# Altium PCB Power Distribution Board.PcbDoc (part 1 of 3)
Units mil, origin at the board's own origin, x right, y up, seen from the top; angles counter-clockwise.
Board outline 7086.61 x 4330.71 mil, 4 copper layers (Top Layer, L2 - GND, L3 - Power, Bottom Layer), stack 61.811 mil thick; 241 components, 181 nets, 796 pads, 516 vias.
Unrouted connection lines stored in the file: 42.
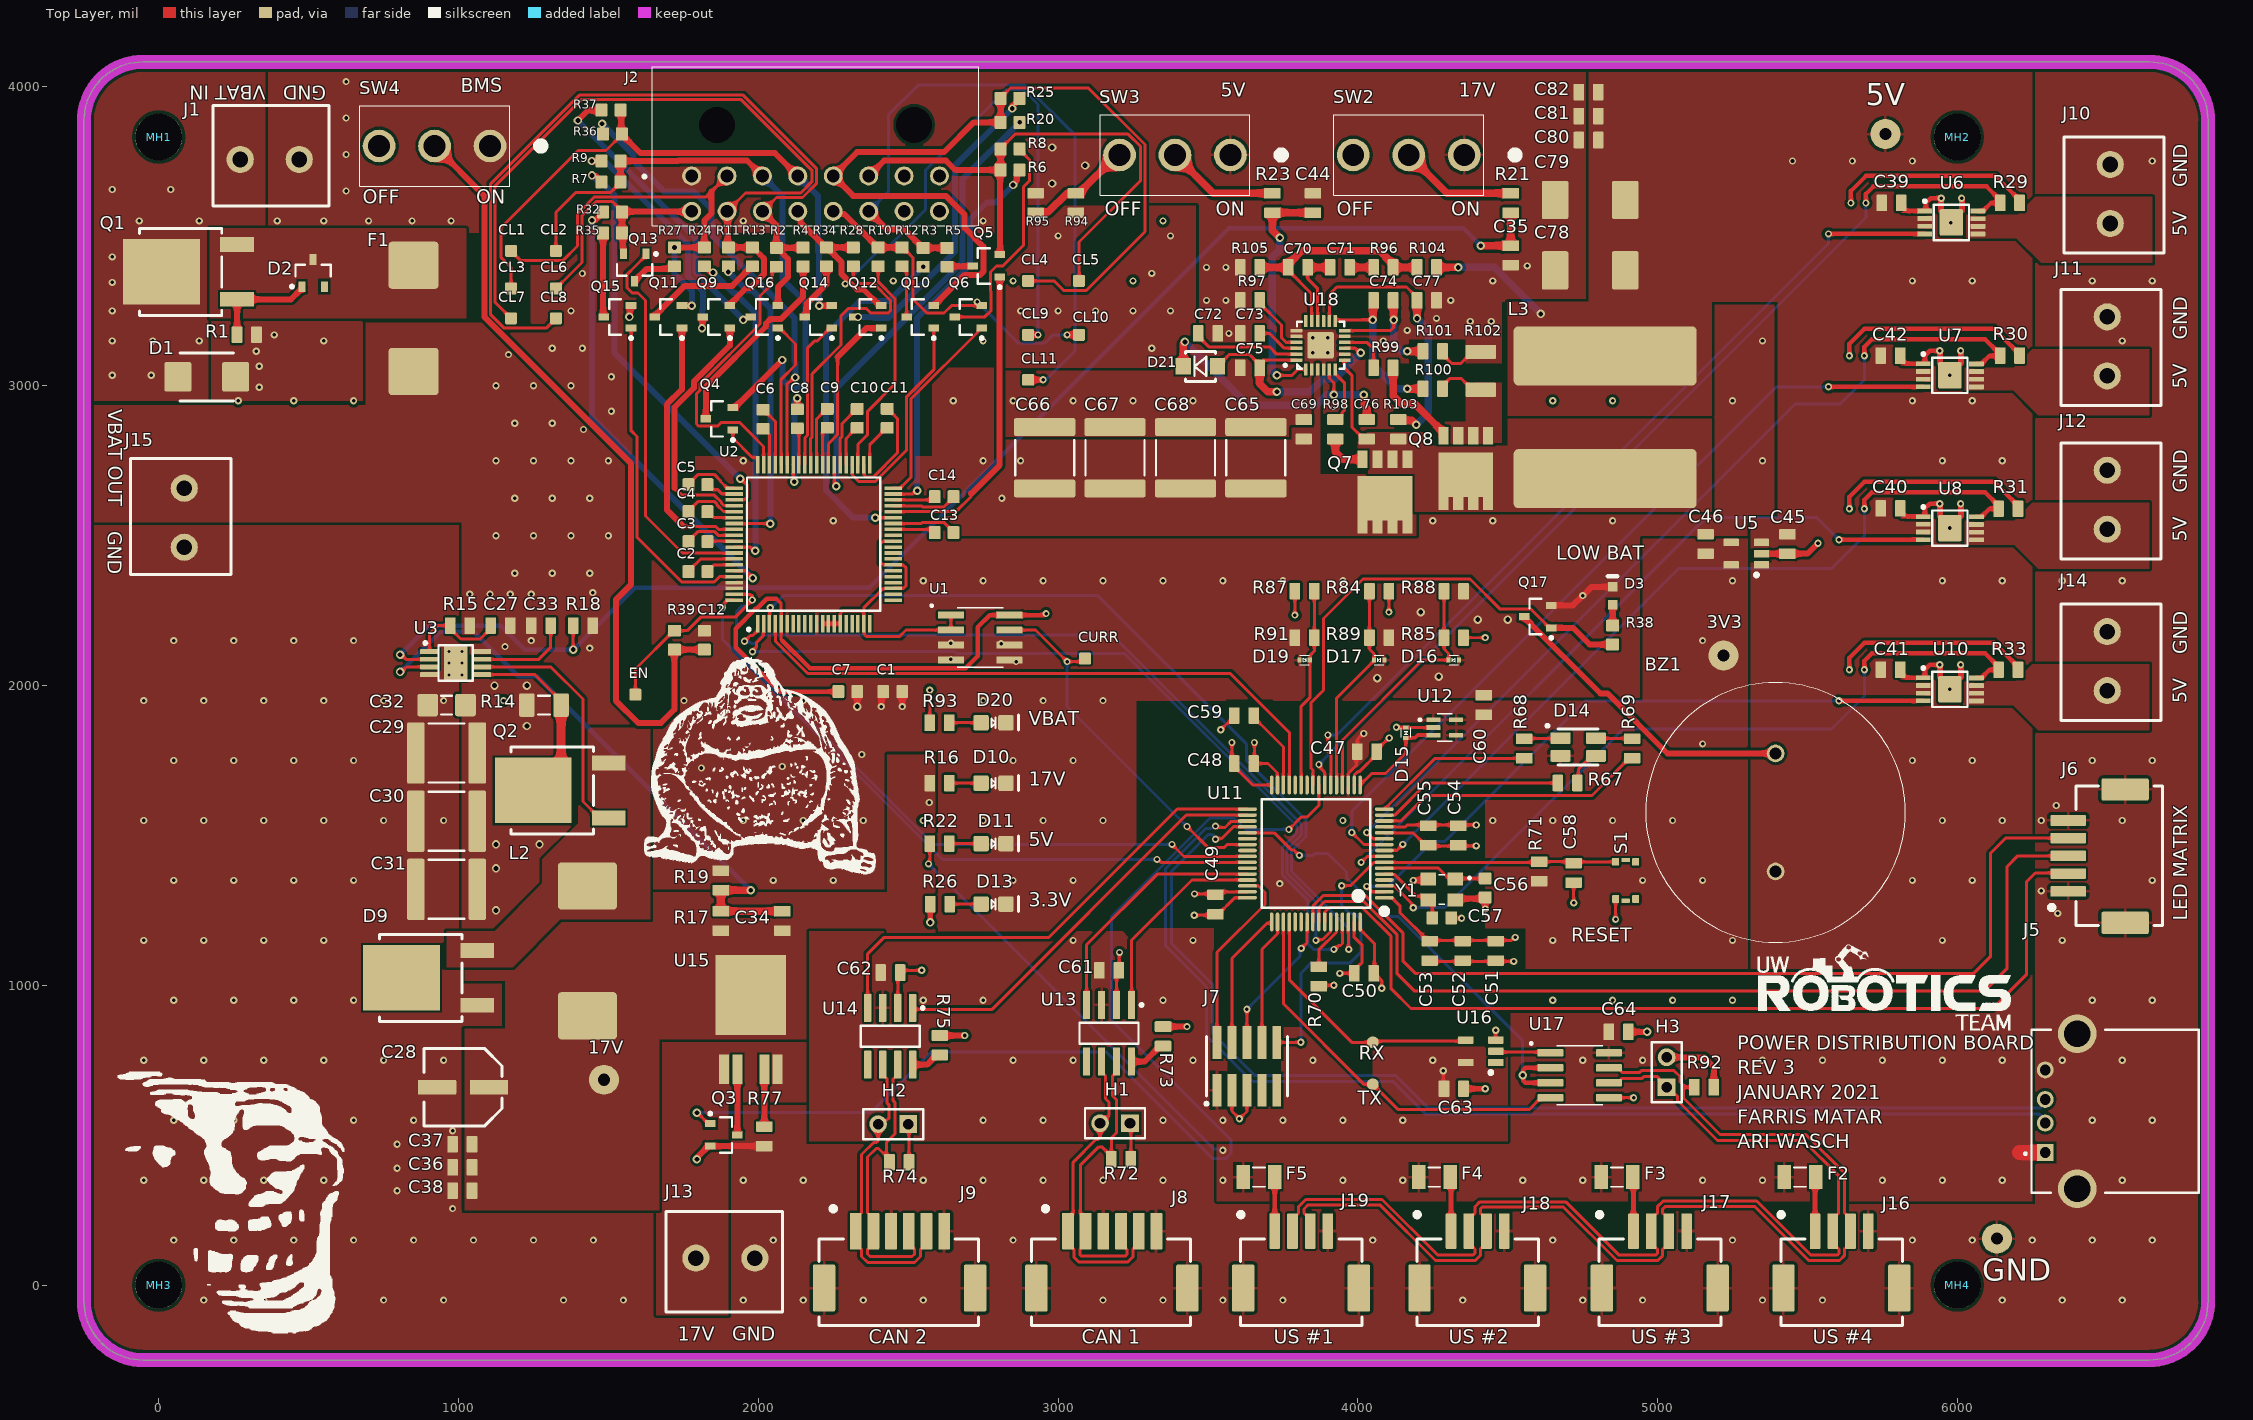
[diagram p0: Top Layer view]
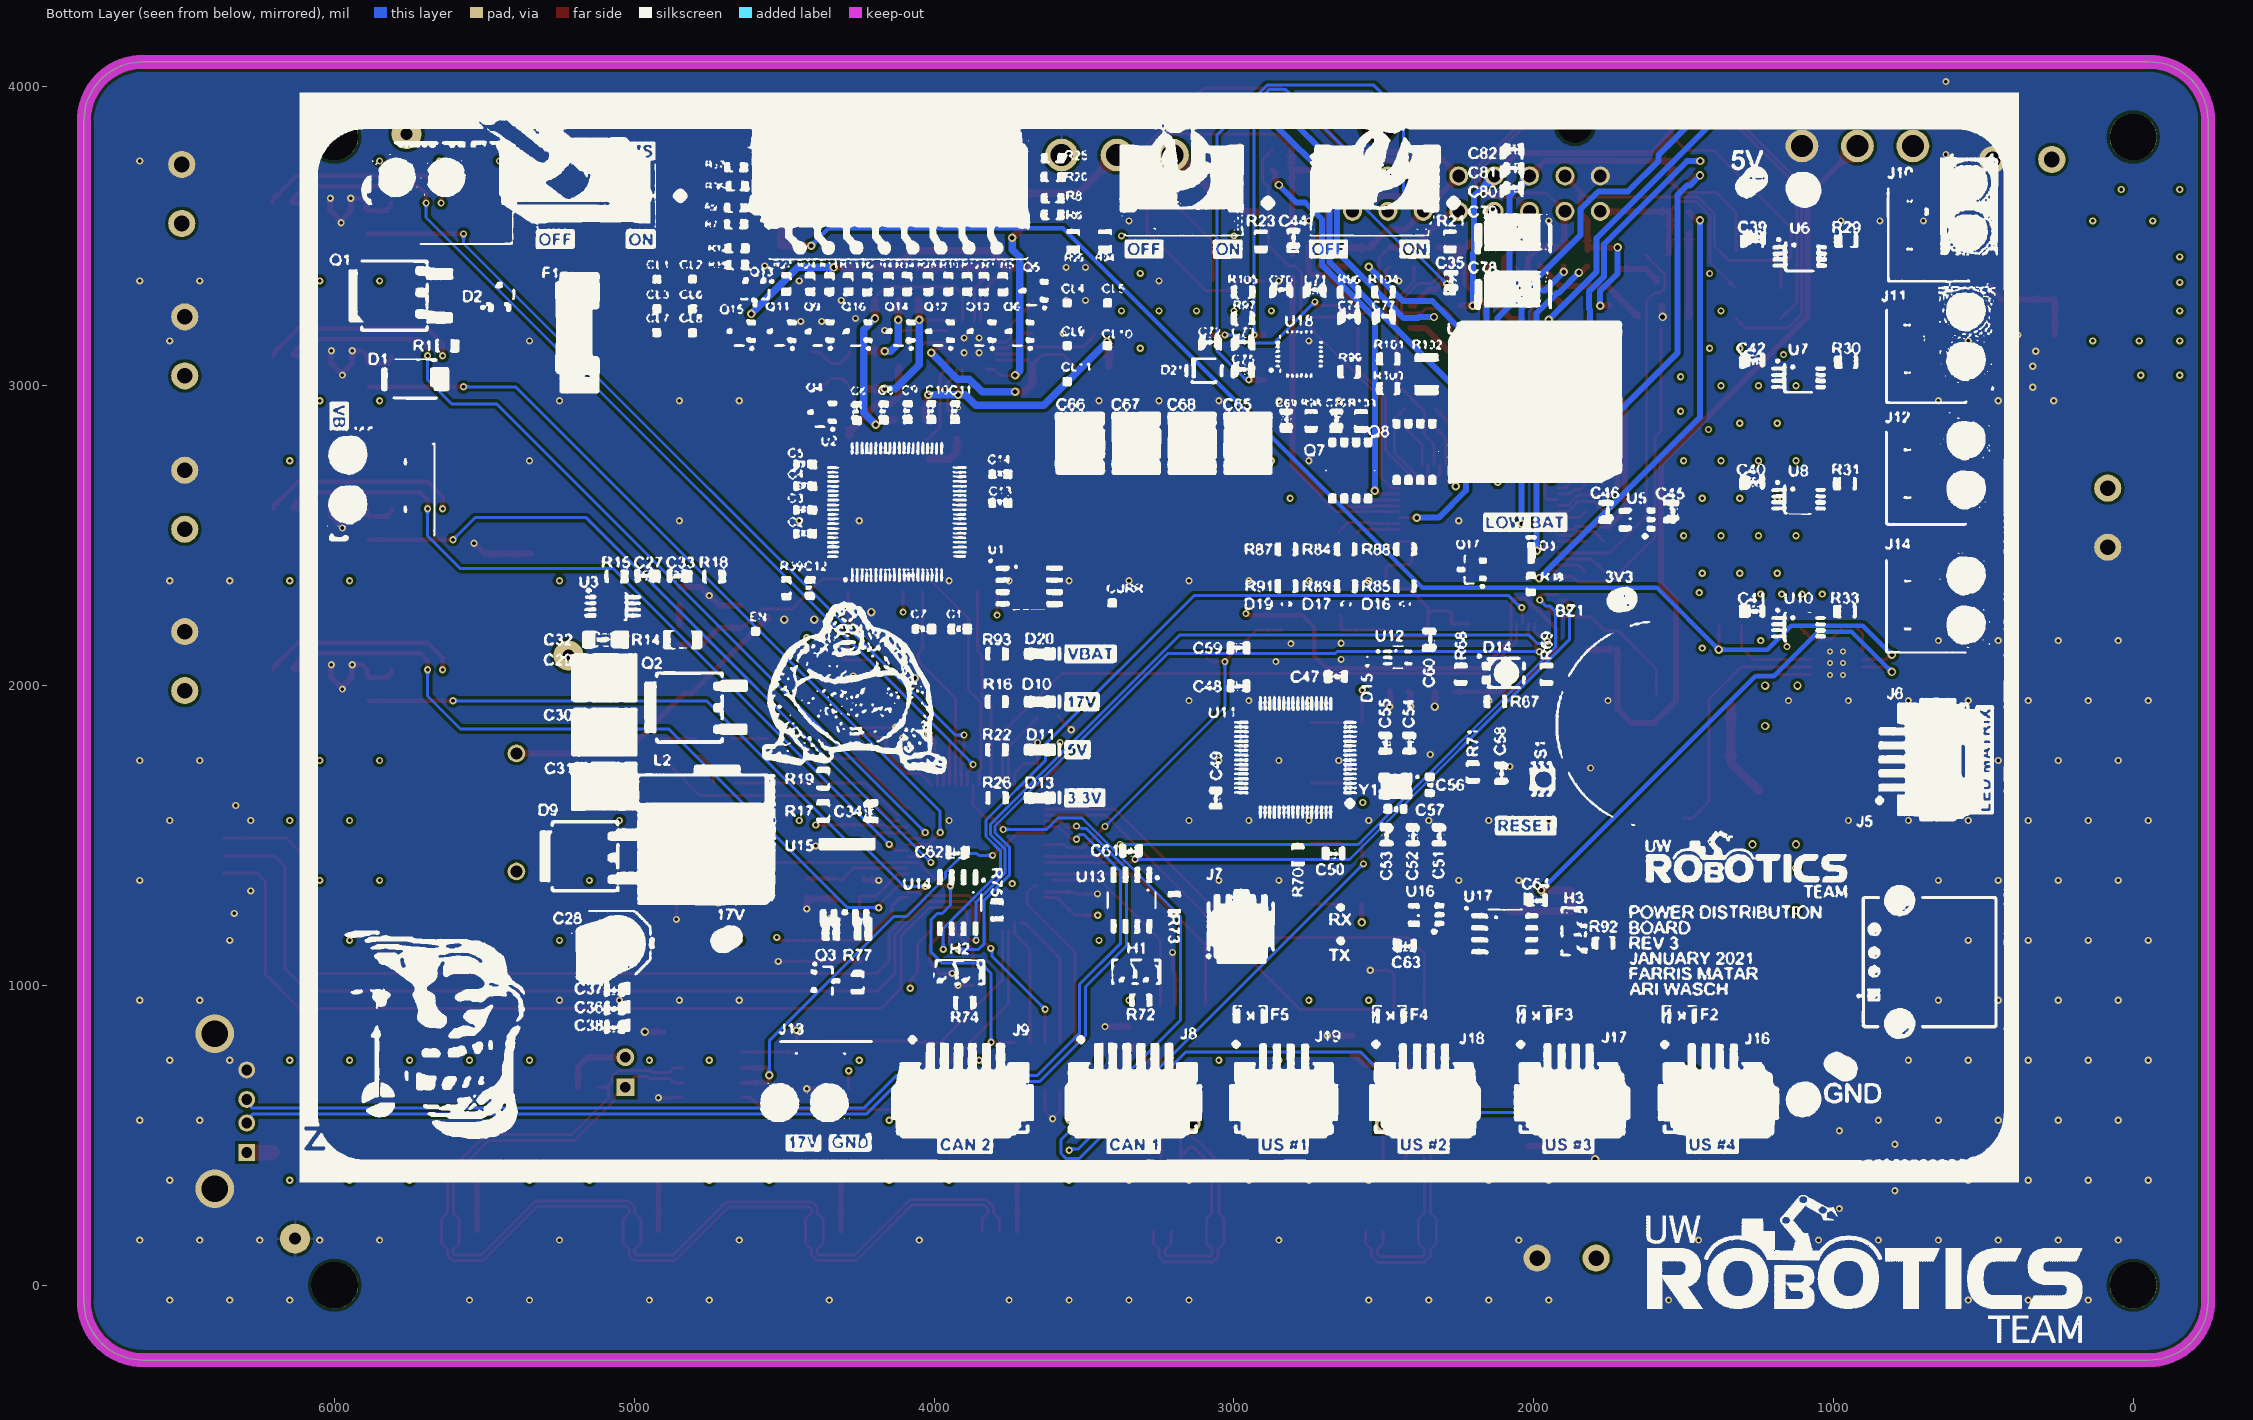
[diagram p1: Bottom Layer view, seen from below]
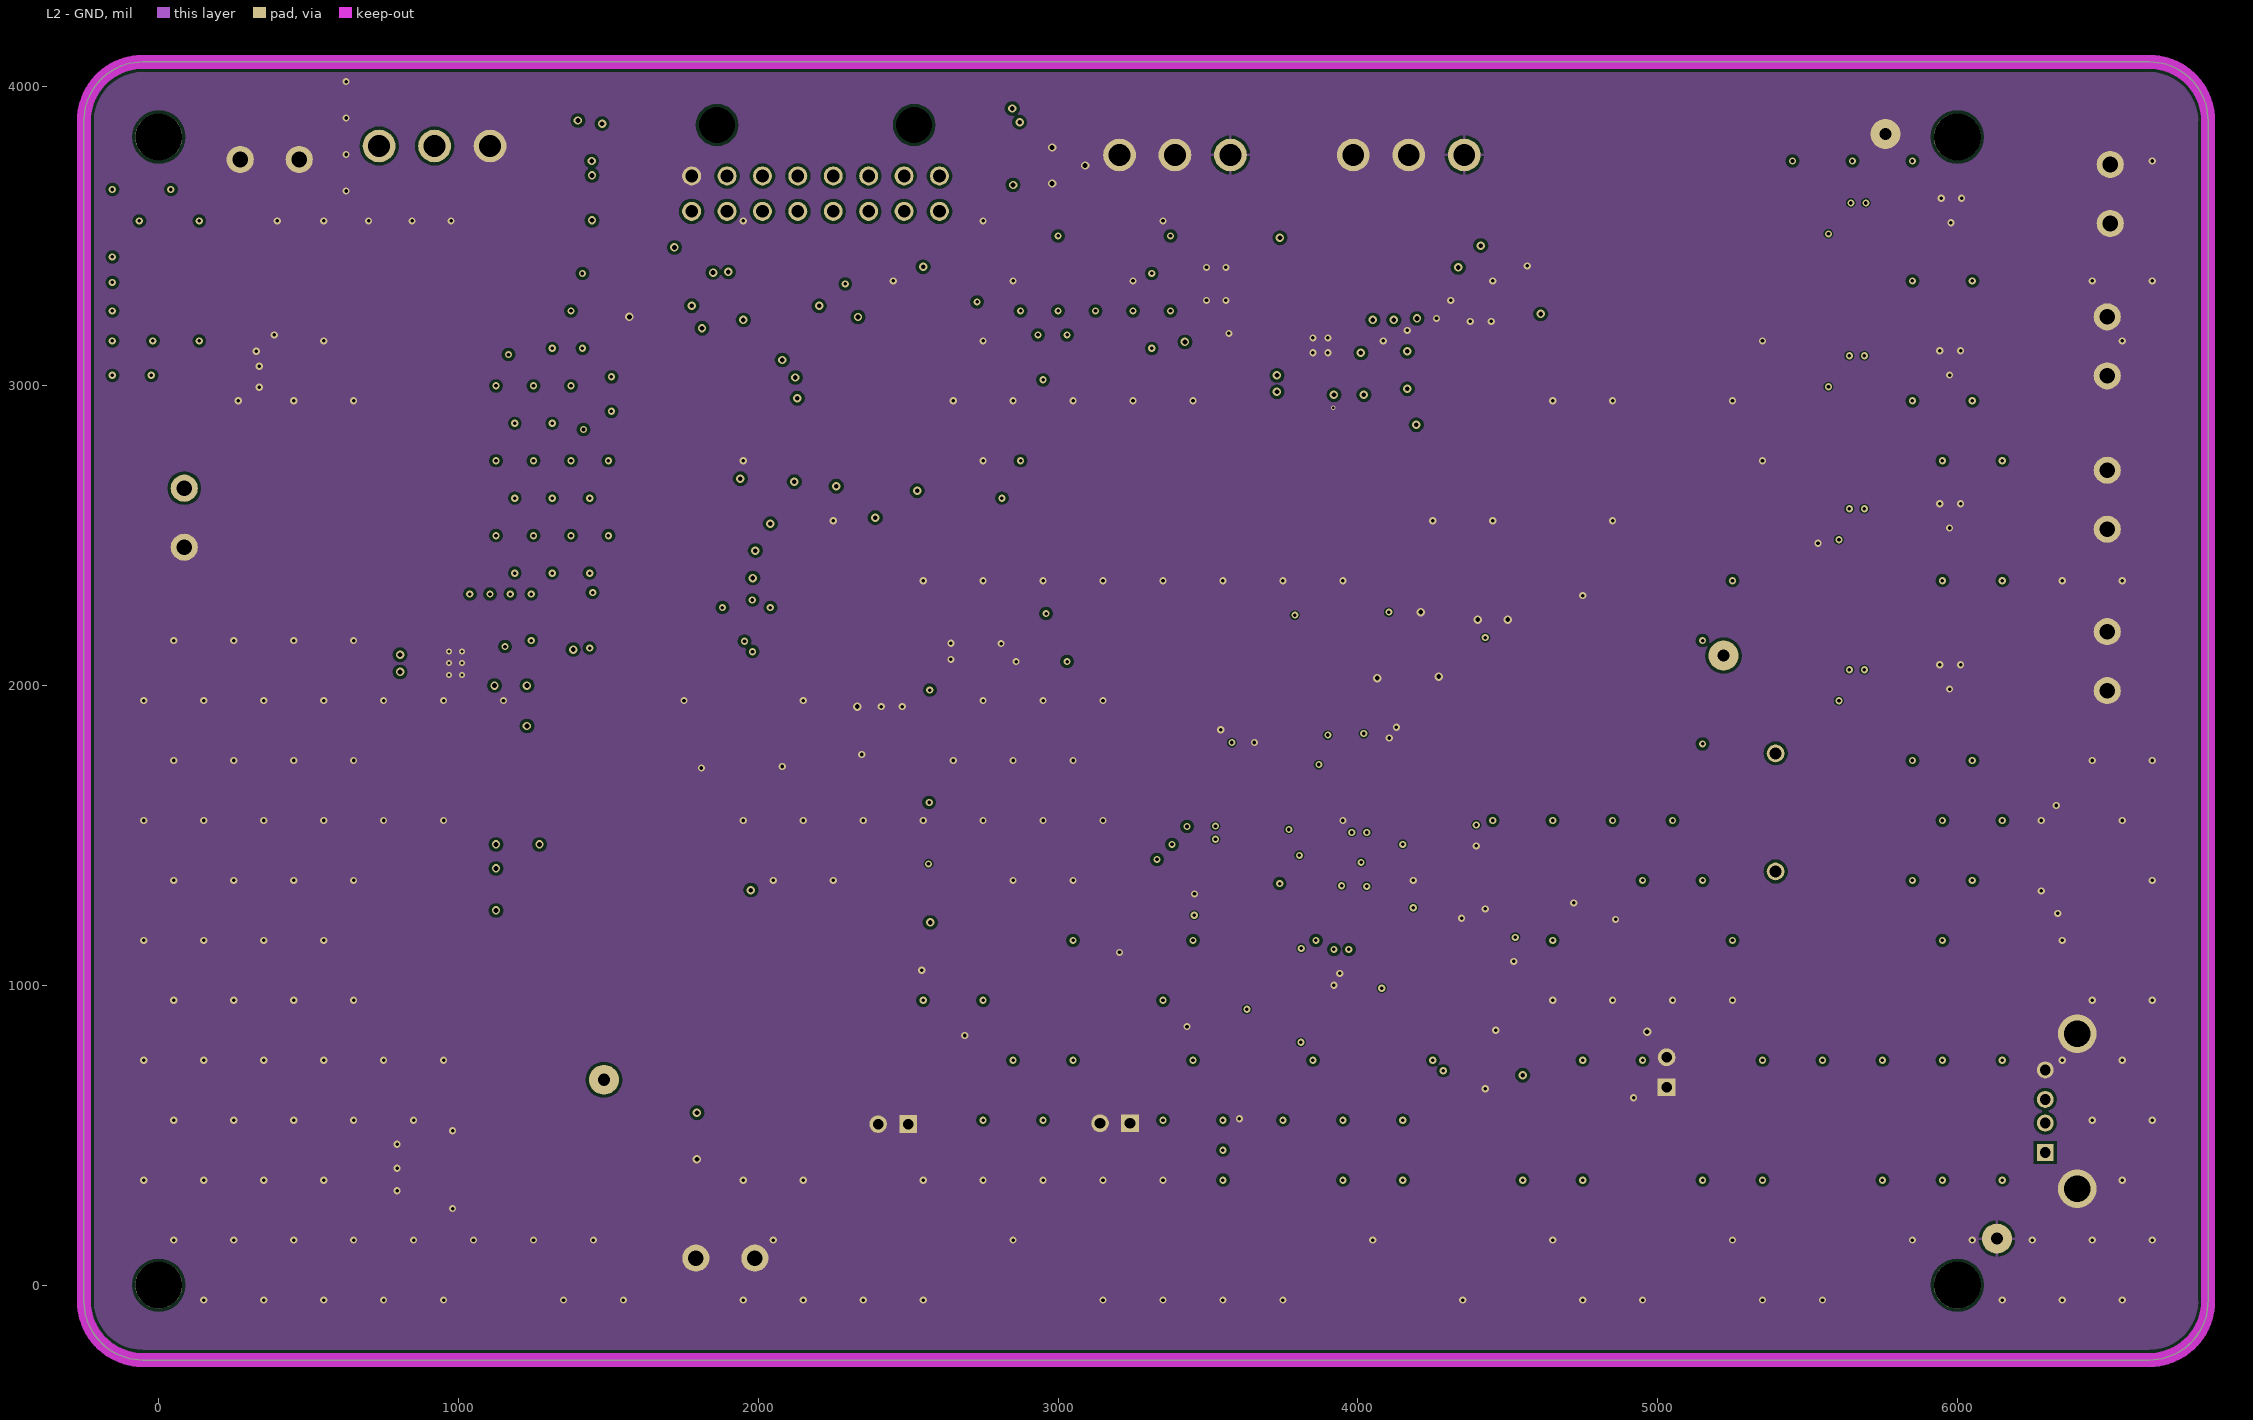
[diagram p2: L2 - GND]
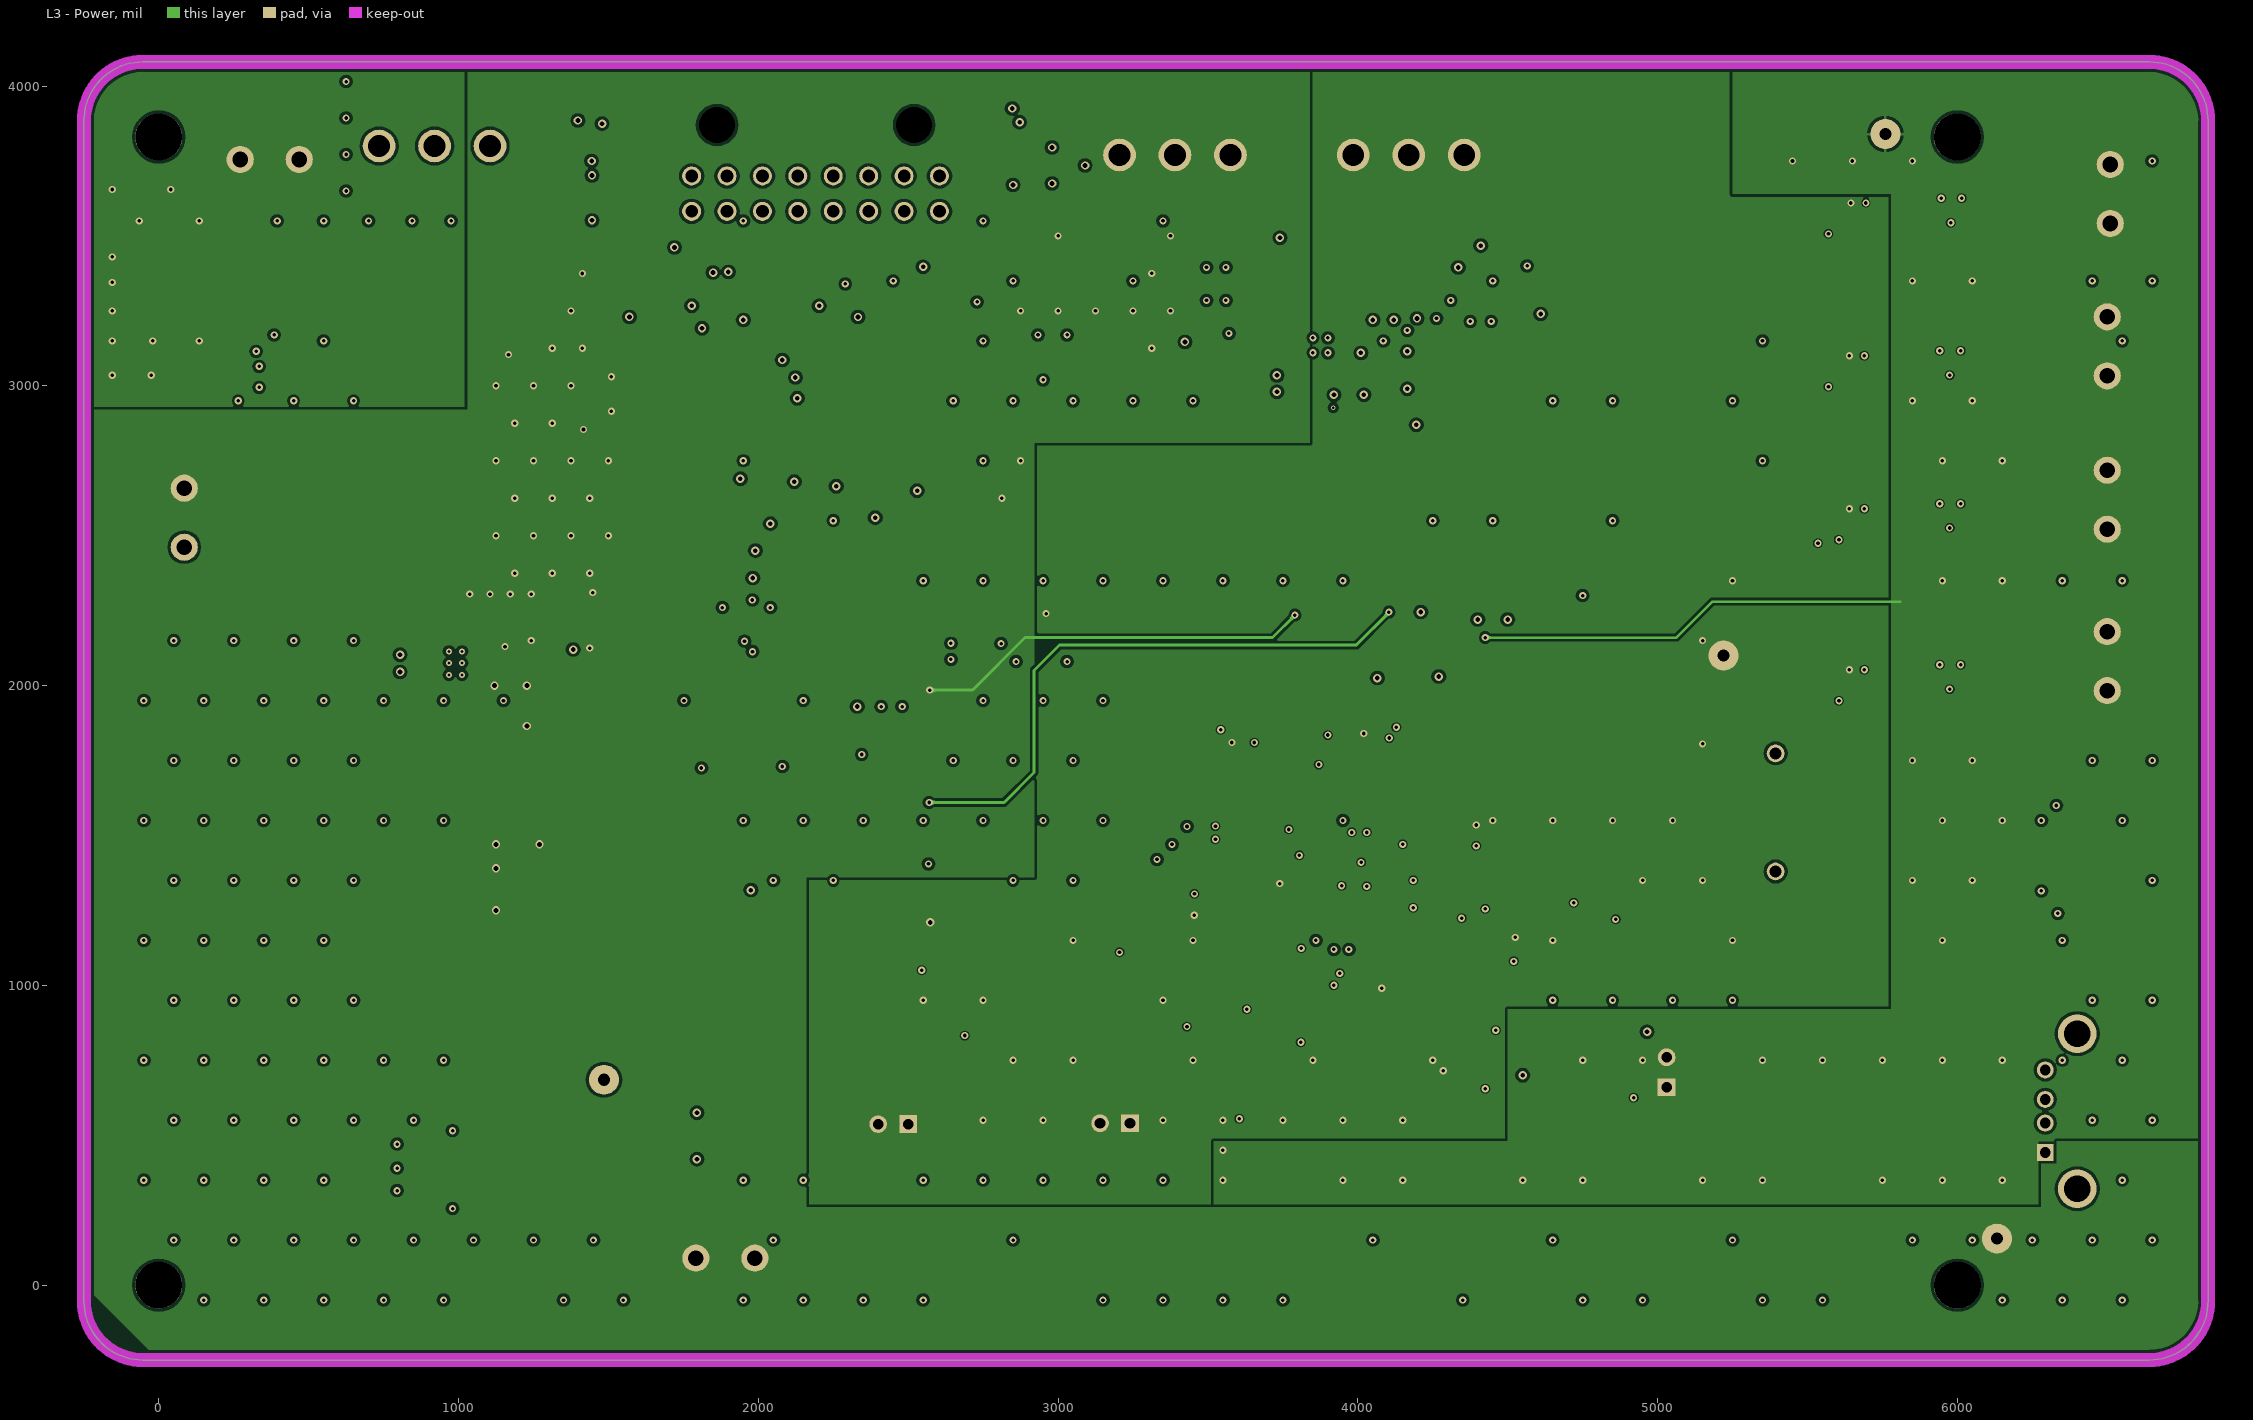
[diagram p3: L3 - Power]
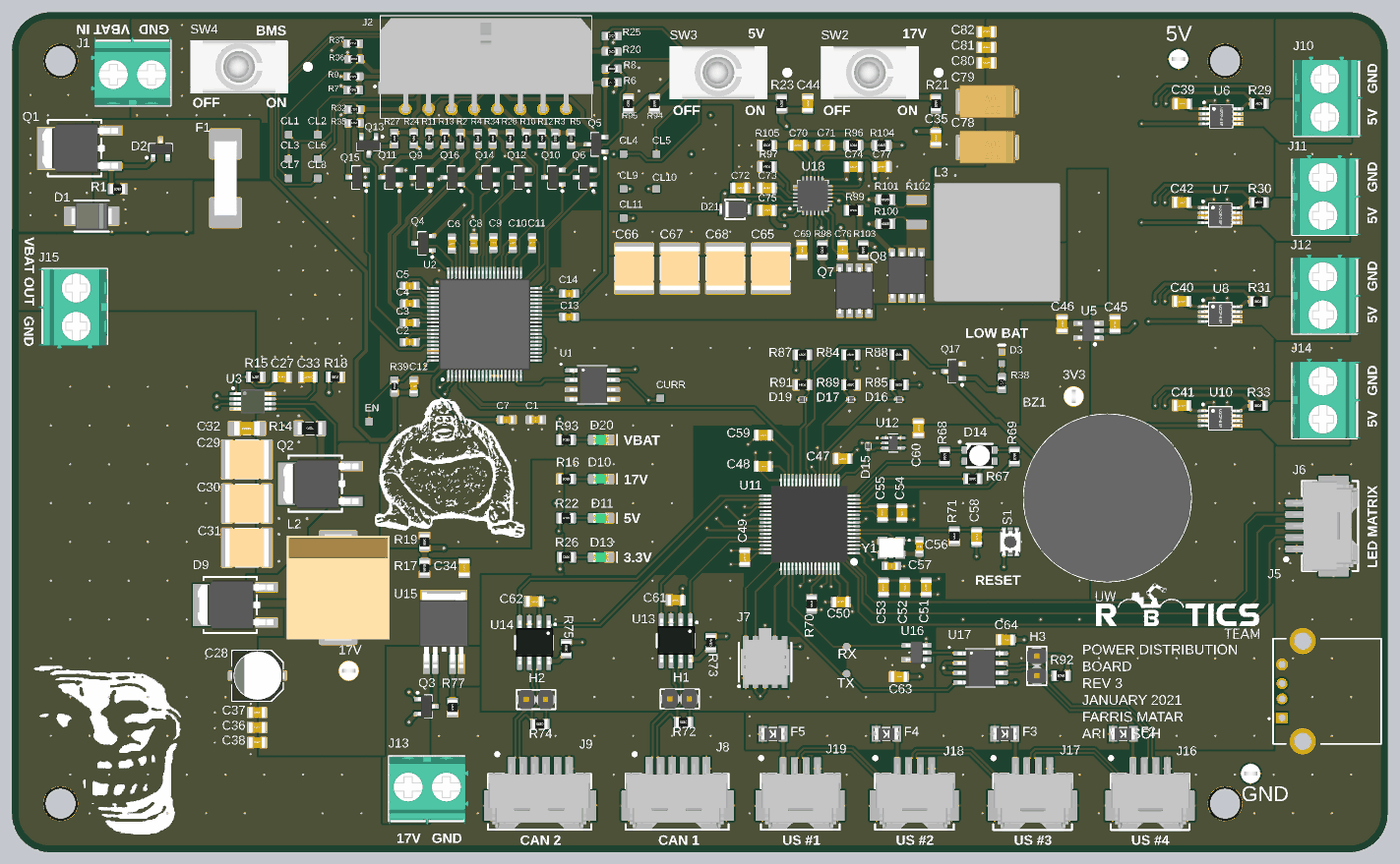
[diagram p6: 3D render of the assembled board from above, using the file's embedded part models]

## Layer stack, top to bottom
Top Solder: solder mask 0.5, Solder Resist, Dk 3.8
Top Layer: signal copper 1.378
Dielectric 1: prepreg 7.874, 7628, Dk 4.6
L2 - GND: signal copper 0.689
Core: core 41.929, FR-4, Dk 4.5
L3 - Power: signal copper 0.689
Dielectric 2: prepreg 7.874, 7628, Dk 4.6
Bottom Layer: signal copper 1.378
Bottom Solder: solder mask 0.5, Solder Resist, Dk 3.8

## Board outline
-250,-53.07 -250,3883.86 -249.92,3883.86 cw(c-53.07,3883.86) -53.07,4080.71 6639.76,4080.71 cw(c6639.76,3883.86) 6836.61,3883.86 6836.61,-53.07 cw(c6639.76,-53.07) 6639.76,-249.92 6639.76,-250 -53.07,-250 -53.07,-249.92 cw(c-53.07,-53.07)

## Design rules (kind name [scope] priority, off if disabled: settings)
BoardOutlineClearance [All] p1: gap=20 ignorepadtopadclearanceinfootprint=FALSE except(5: Text-OutlineEdge Text-CavityEdge Text-CutoutEdge Text-SplitBarrior Text-SplitContinuation; 25: Track-OutlineEdge Track-CavityEdge Track-CutoutEdge Track-SplitBarrior Track-SplitContinuation)
Clearance "High Voltage Internal" [InNetClass('High_Voltage_Internal')  and OnLayer('Power')] p1: gap=20 ignorepadtopadclearanceinfootprint=TRUE
Clearance "High Voltage External" [InNetClass('High_Voltage')  and OnLayer('Signal')] p2: gap=12 ignorepadtopadclearanceinfootprint=TRUE
Clearance Clearance_1 [All] p3: gap=10 ignorepadtopadclearanceinfootprint=TRUE except(0: Arc-Text Track-Text Text-Hole; 5: Track-Track SMDPad-SMDPad Text-Text; 7: SMDPad-Region; 8: Arc-Arc Arc-Track Arc-SMDPad Arc-Hole Track-SMDPad Track-Region Track-Hole SMDPad-THPad SMDPad-Fill SMDPad-Poly SMDPad-Text SMDPad-Hole THPad-Hole Via-Hole Fill-Hole Poly-Hole Region-Region Region-Hole; 20: THPad-THPad Via-Via)
ComponentClearance [All] p1: gap=10 collisioncheckmode=3 verticalgap=200 showdistances=FALSE
DiffPairsRouting [All] p1: maxlimit=10 minlimit=8 mostfreqgap=10 toplayer_minwidth=10 toplayer_maxwidth=10 toplayer_prefwidth=10 midlayer1_minwidth=10 midlayer1_maxwidth=10 midlayer1_prefwidth=10 midlayer2_minwidth=10 midlayer2_maxwidth=10 midlayer2_prefwidth=10 bottomlayer_minwidth=10 bottomlayer_maxwidth=10 bottomlayer_prefwidth=10 maxuncoupledlength=500
Height [All] p1: minheight=0 maxheight=50000 prefheight=500
HoleSize [All] p1: absolutevalues=TRUE maxlimit=200 minlimit=10 maxpercent=80.000 minpercent=20.000
HoleToHoleClearance [All] p1: gap=20 allowstackedmicrovias=TRUE
MinimumAnnularRing [All] p1: minimumring=5
MinimumSolderMaskSliver [All] p1: minsoldermaskwidth=3
PolygonConnect PolygonConnect_Via [IsVia] p1: connectstyle=Direct reliefconductorwidth=10 reliefentries=4 polygonreliefangle="90 Angle" airgapwidth=10
PolygonConnect [All] p2: connectstyle=Direct reliefconductorwidth=10 reliefentries=4 polygonreliefangle="90 Angle" airgapwidth=10
RoutingVias [All] p1: holewidth=12 width=24 viastyle="Through Hole" minholewidth=6 minwidth=12 maxholewidth=24 maxwidth=50
SilkToSilkClearance [All] p1: silktosilkclearance=2
SilkToSolderMaskClearance [IsPad] p1: minsilkscreentomaskgap=0.5 clearancetoexposedcopper=TRUE
SolderMaskExpansion [All] p1: expansion=2 istentingtop=FALSE
Width Width_1 [All] p1: maxlimit=100 minlimit=5 preferedwidth=10 midlayer1_maxwidth=10 minimp=50.000000 maximp=50.000000 favimp=50.000000
22 further rules are at their usual default settings.

## Classes and differential pairs
component class "SH11 - Battery Balancing": AGND CL1 CL2 CL5 CL6 CL7 CL8 CL9 Q4 Q5 Q6 Q9 Q10 Q11 Q12 Q13 Q14 Q15 Q16 R2 R3 R4 R5 R6 R7 R8 R9 R10 R11 R12 R13 R20 R24 R25 R27 R28 R32 R34 R35 R36 R37
component class "SH10 - BMS": BZ1 C1 C2 C3 C4 C5 C6 C7 C8 C9 C10 C11 C12 C13 C14 CURR D3 EN J2 Q17 R38 R39 SW4 U1 U2
component class "SH9 - RS-485": C63 C64 F2 F3 F4 F5 H3 J16 J17 J18 J19 R92 RX TP21 TX U16 U17
component class "SH8 - CAN": C61 C62 H1 H2 J8 J9 R72 R73 R74 R75 U13 U14
component class "SH7 - MICROCONTROLLER": C47 C48 C49 C50 C51 C52 C53 C54 C55 C56 C57 C58 C59 C60 D14 D15 J5 J6 J7 MH1 MH2 MH3 MH4 R67 R68 R69 R70 R71 S1 U11 U12 Y1
component class "SH6 - LOAD MONITORING 2": D16 D17 D19 J10 J11 J12 J13 J14 J15 Q3 R77 R84 R85 R87 R88 R89 R91 U15
component class "SH5 - LOAD MONITORING 1": C39 C40 C41 C42 R29 R30 R31 R33 U6 U7 U8 U10
component class "SH4 - 3.3V LINEAR REGULATOR": 3V3 C45 C46 D13 GND R26 U5
component class "SH3 - 5V BUCK CONVERTER": 5V C44 C65 C66 C67 C68 C69 C70 C71 C72 C73 C74 C75 C76 C77 C78 C79 C80 C81 C82 D11 D21 L3 Q7 Q8 R22 R23 R94 R95 R96 R97 R98 R99 R100 R101 R102 R103 R104 R105 SW3 U18
component class "SH2 - 17V BUCK CONVERTER": 17V C27 C28 C29 C30 C31 C32 C33 C34 C35 C36 C37 C38 D9 D10 L2 Q2 R14 R15 R16 R17 R18 R19 R21 SW2 U3
component class "SH1 - POWER": D1 D2 D20 F1 J1 Q1 R1 R93
differential pair USB: +USB_P -USB_N
differential pair CANB: +CANB_P -CANB_N
differential pair CANA: +CANA_P -CANA_N
differential pair RS-485: +RS-485_P -RS-485_N
